# Altium PCB SysUprTestUUDown.PcbDoc (part 1 of 3)
Units mm, origin at the board's own origin, x right, y up, seen from the top; angles counter-clockwise.
Board outline 140.1 x 94.7 mm, 4 copper layers (Top Layer, Mid-Layer 1, Mid-Layer 2, Bottom Layer), stack 1.572 mm thick; 248 components, 135 nets, 1205 pads, 426 vias.
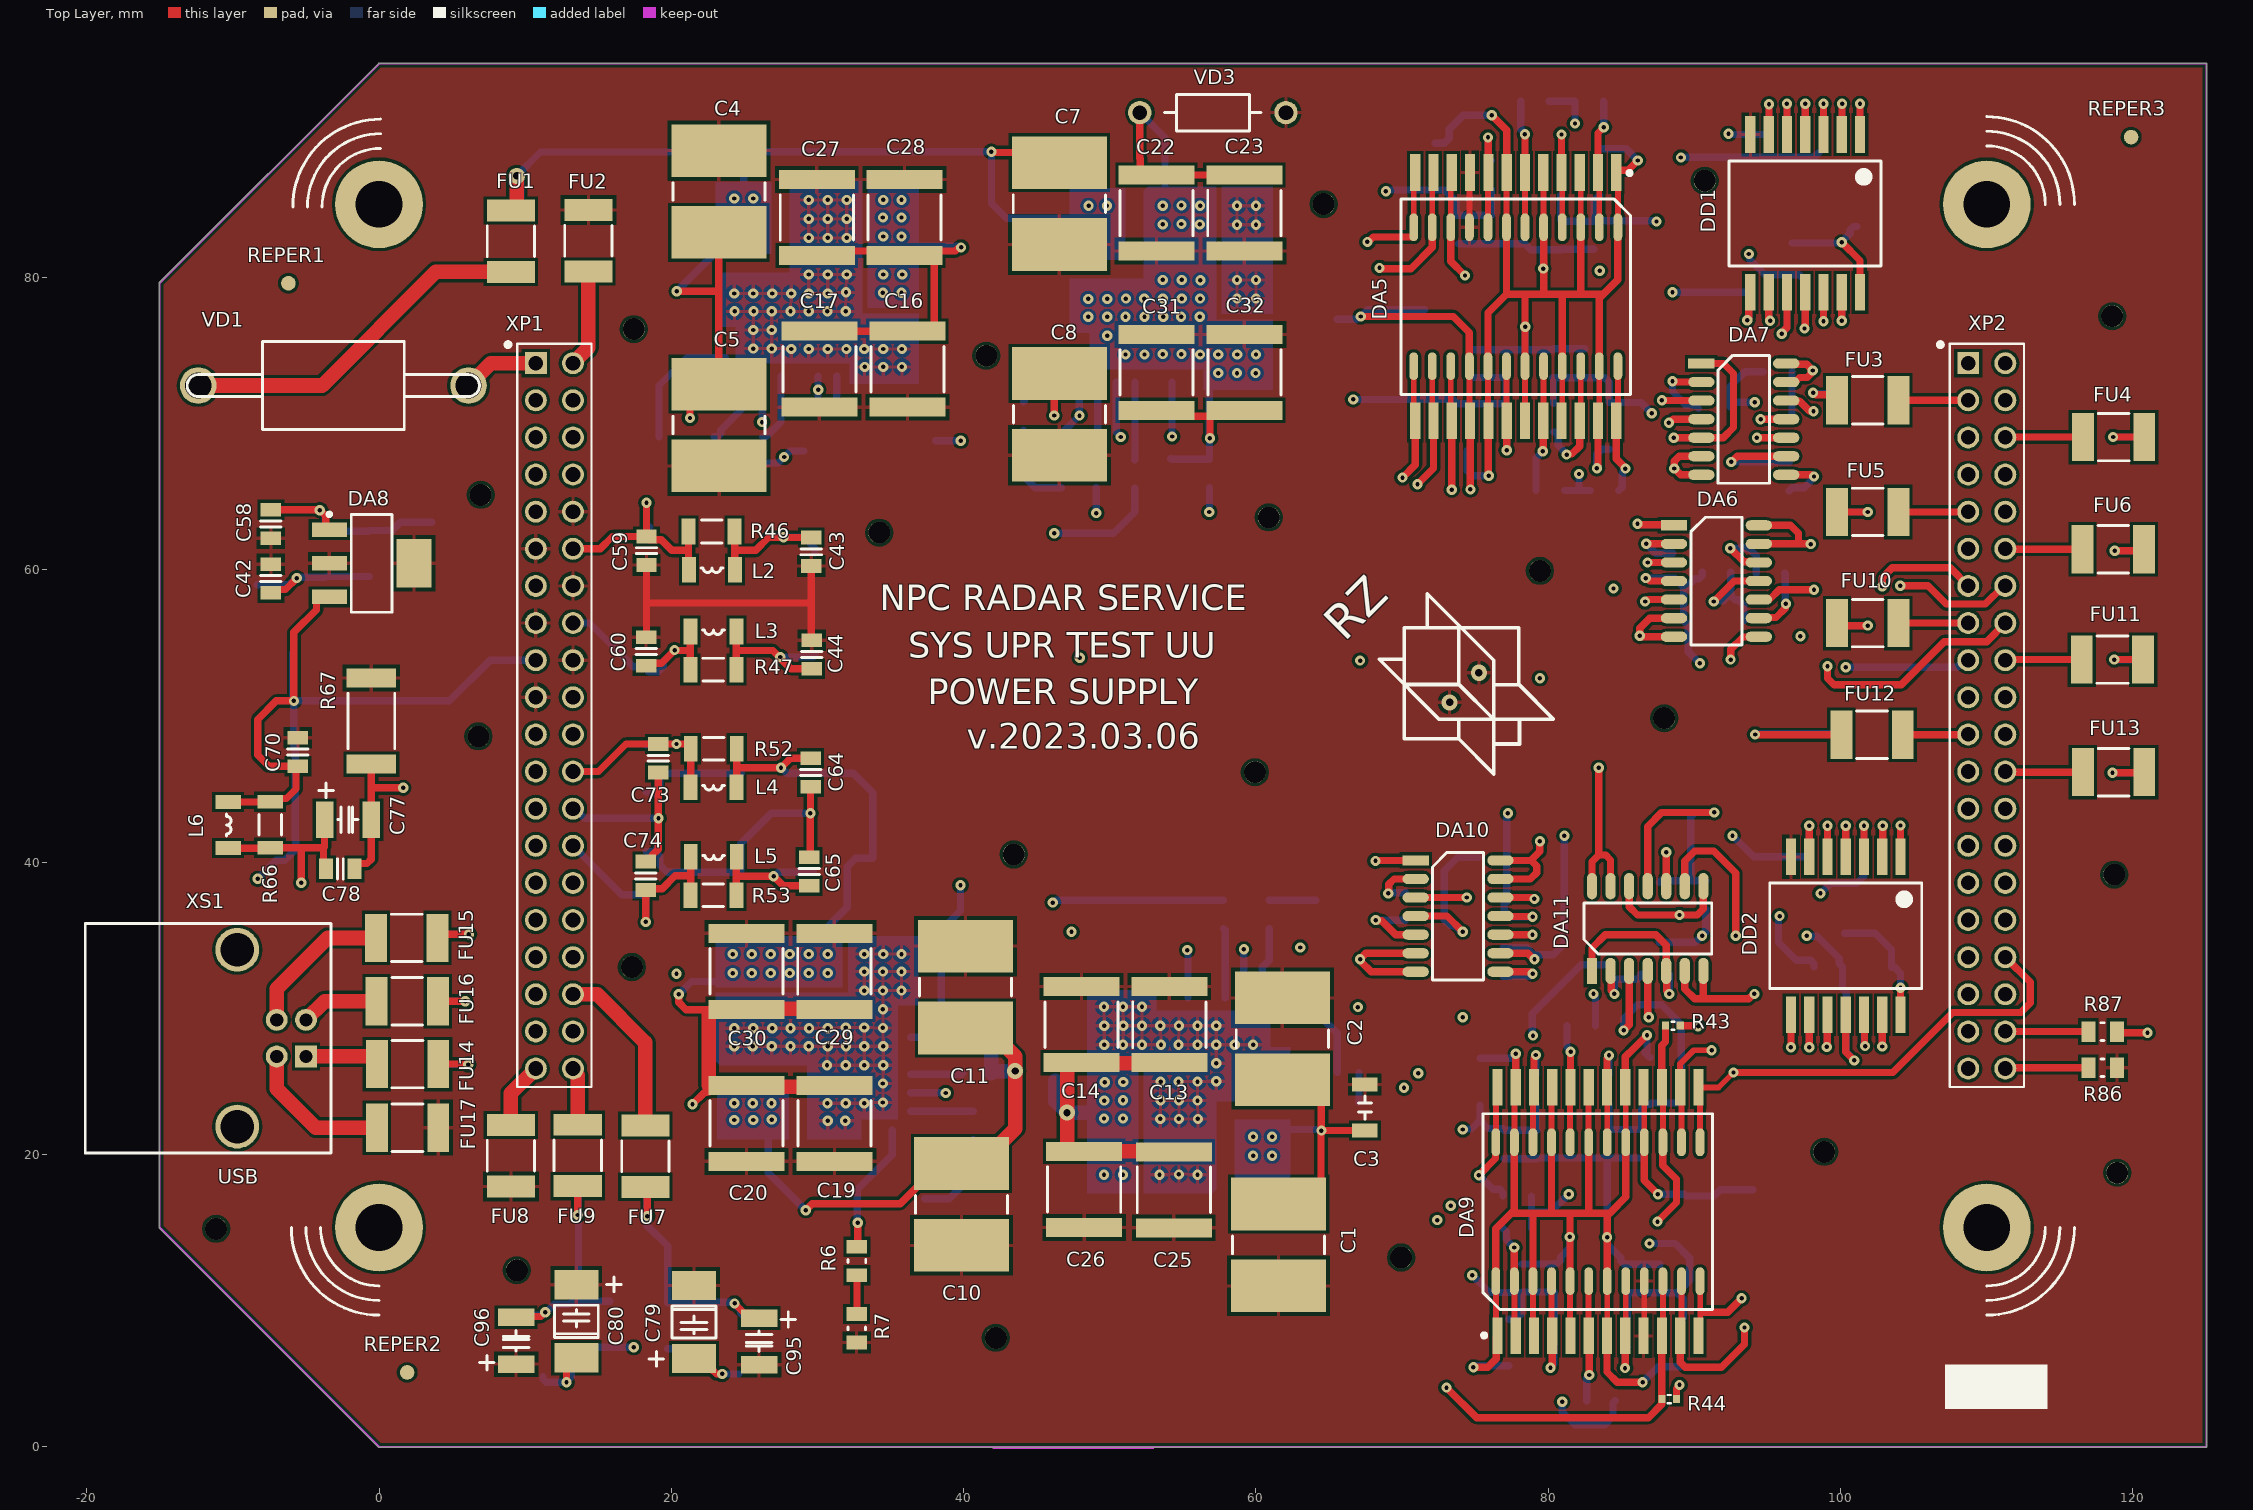
[diagram p0: Top Layer view]
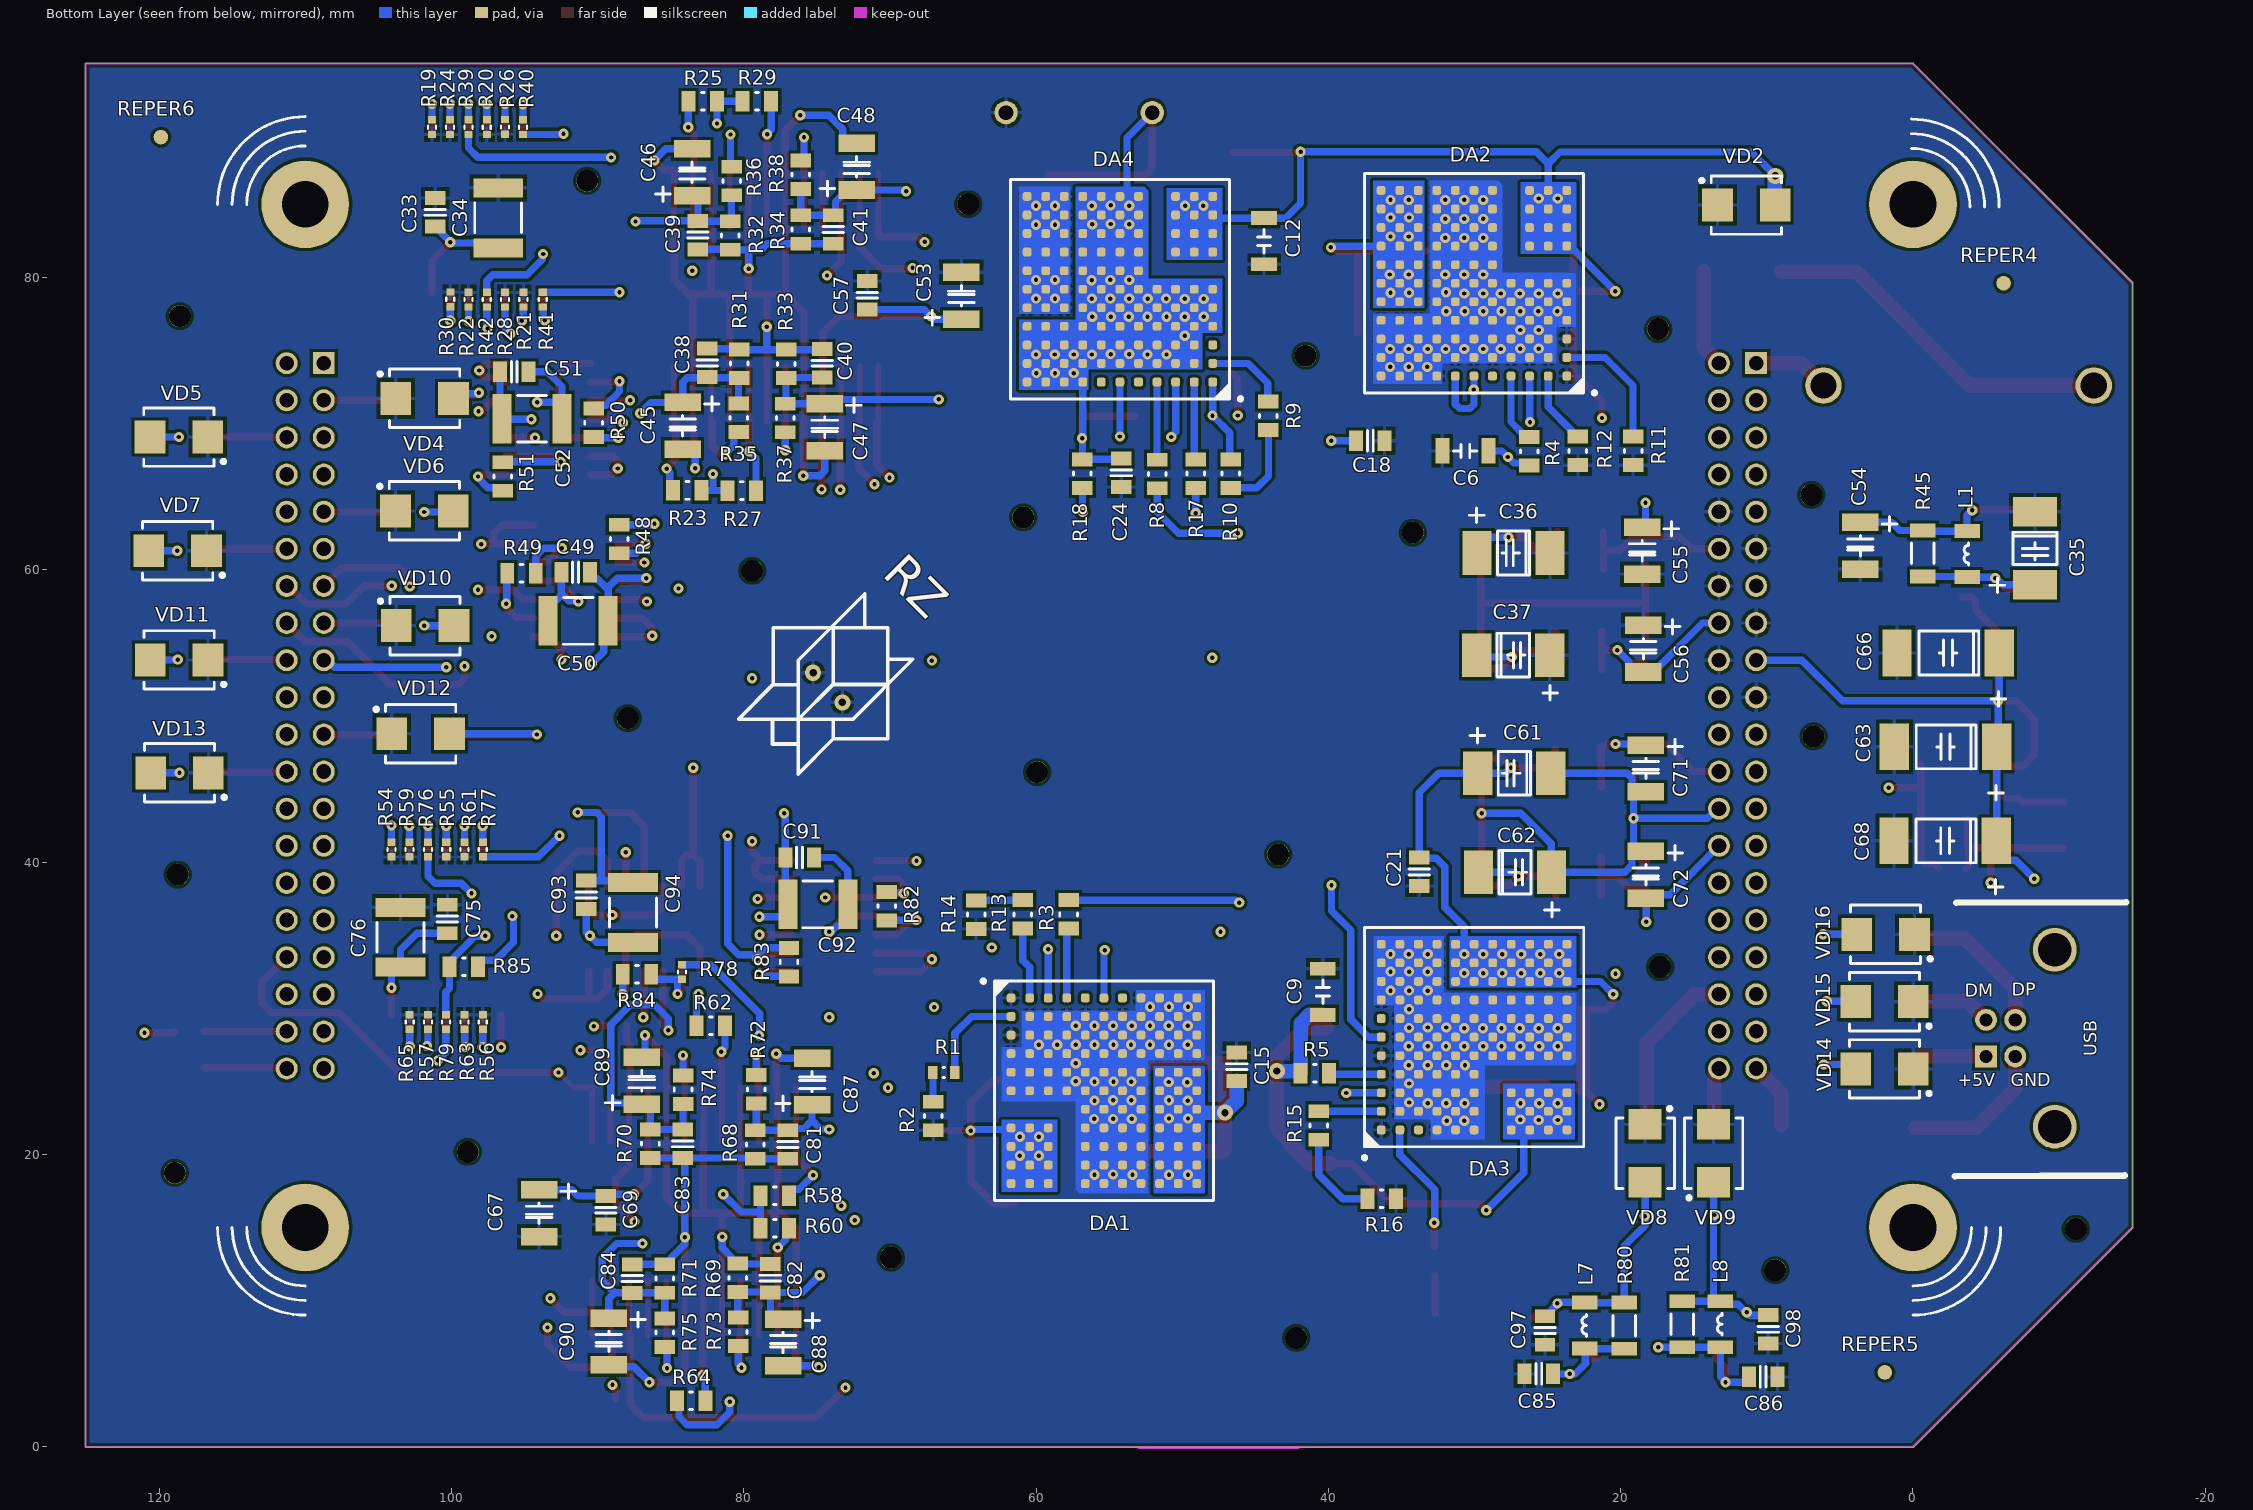
[diagram p1: Bottom Layer view, seen from below]
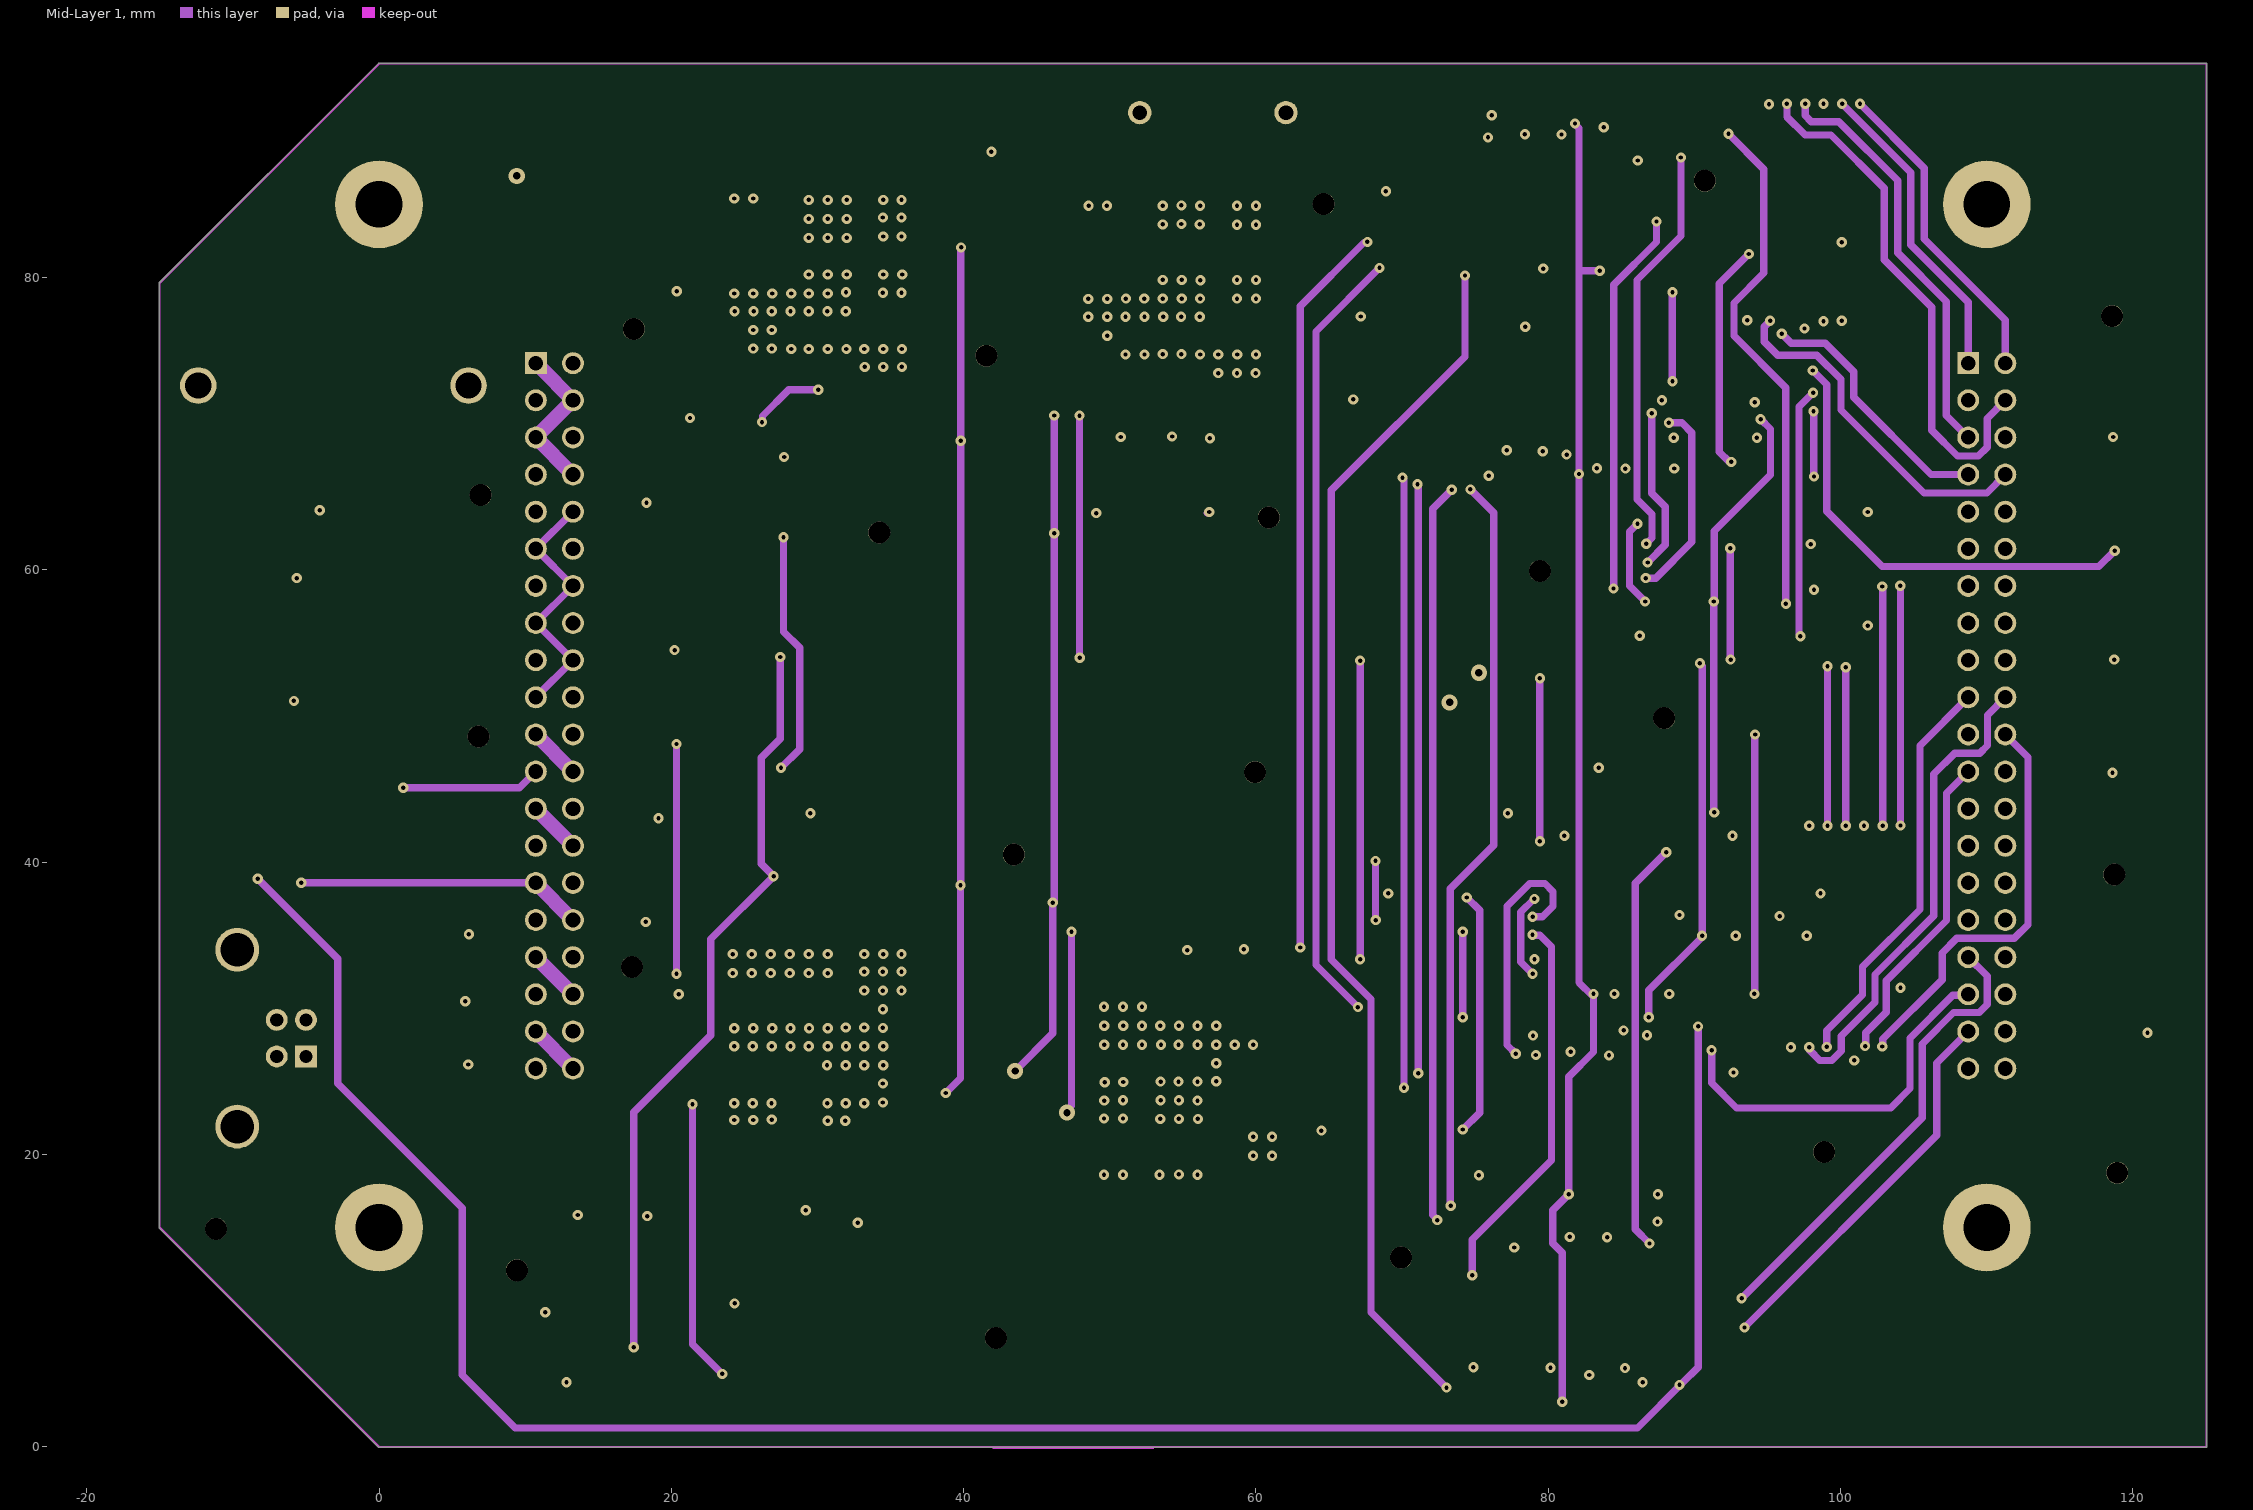
[diagram p2: Mid-Layer 1]
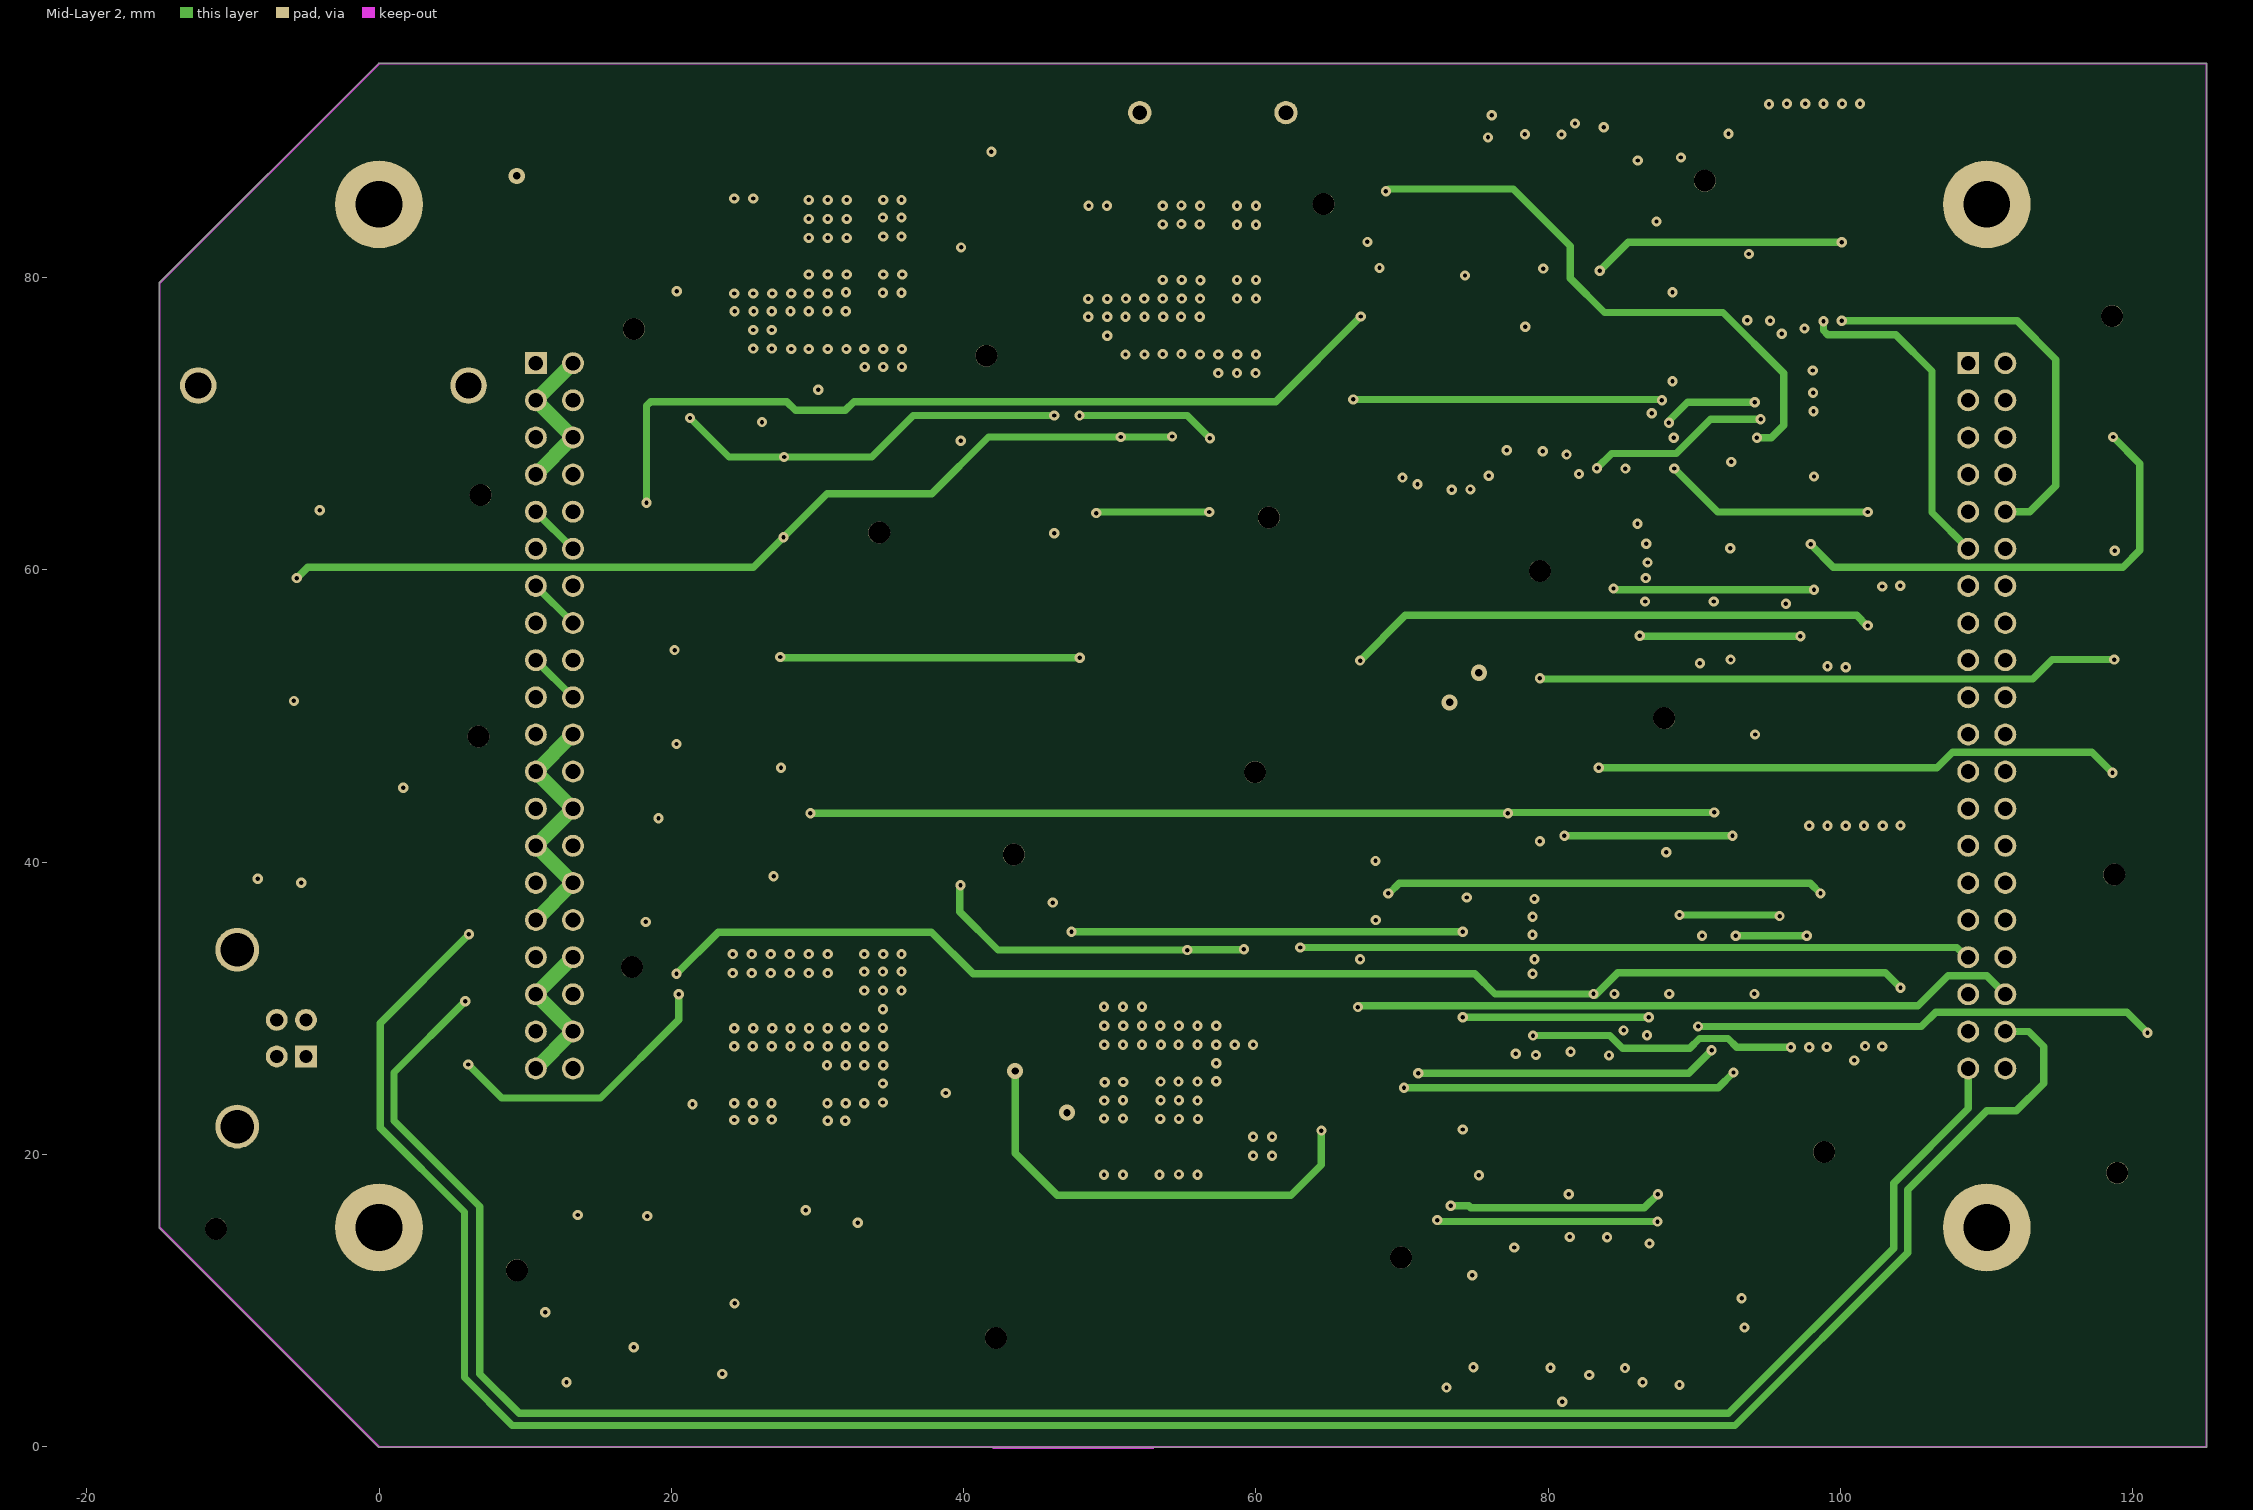
[diagram p3: Mid-Layer 2]

## Layer stack, top to bottom
Top Solder: solder mask 0.0102, Solder Resist, Dk 3.5
Top Layer: signal copper 0.018
Dielectric 1: dielectric 0.5, FR-4, Dk 4.8
Mid-Layer 1: signal copper 0.018
Dielectric2: dielectric 0.5, FR-4, Dk 4.8
Mid-Layer 2: signal copper 0.018
Dielectric3: dielectric 0.5, FR-4, Dk 4.8
Bottom Layer: signal copper 0.018
Bottom Solder: solder mask 0.0102, Solder Resist, Dk 3.5

## Board outline
-15.035,14.964 cw(c-15,15) -15.05,15 -15.05,79.6 cw(c-15,79.6) -15.035,79.636 -15.036,79.636 -0.035,94.636 -0.036,94.635 cw(c0,94.6) 0,94.65 125,94.65 cw(c125,94.6) 125.05,94.6 cw(c125,94.6) 125.049,94.588 cw(c125,94.575) 125.05,94.575 125.05,0.001 125.05,0 cw(c125,0) 125,-0.05 0,-0.05 cw(c0,0) -0.036,-0.035 -0.036,-0.036

## Design rules (kind name [scope] priority, off if disabled: settings)
Clearance "2_Clearance REP" [InComponent('REP1')or InComponent('REP2') or InComponent('REP3') or InComponent('REP4') or InComponent('REP5')or InComponent('REP6') vs InPoly] p1: gap=1 ignorepadtopadclearanceinfootprint=FALSE
Clearance 1Clearance [All] p2: gap=0.2 ignorepadtopadclearanceinfootprint=FALSE
PolygonConnect [All] p1: connectstyle=Relief reliefconductorwidth=0.254 reliefentries=4 polygonreliefangle="90 Angle" airgapwidth=0.254
RoutingVias [All] p1: holewidth=0.3 width=0.7 viastyle="Through Hole" minholewidth=0.2 minwidth=0.5 maxholewidth=0.5 maxwidth=1.1
SolderMaskExpansion [All] p1: expansion=0.102 istentingtop=FALSE
Width [All] p1: maxlimit=1 minlimit=0.3 preferedwidth=0.5
30 further rules are at their usual default settings.
